# Altium PCB BEAGLEPLAYV020_220915.brd.PcbDoc (part 12 of 12)
Units mm, origin at the board's own origin, x right, y up, seen from the top; angles counter-clockwise.
Board outline 80 x 80 mm, 8 copper layers (TOP, LYR2_GND, LYR3, LAY4_PWR1, LAY5_PWR2, LAY6, LYR7_GND, BOTTOM), stack 1.545 mm thick; 782 components, 546 nets, 2864 pads, 2056 vias.
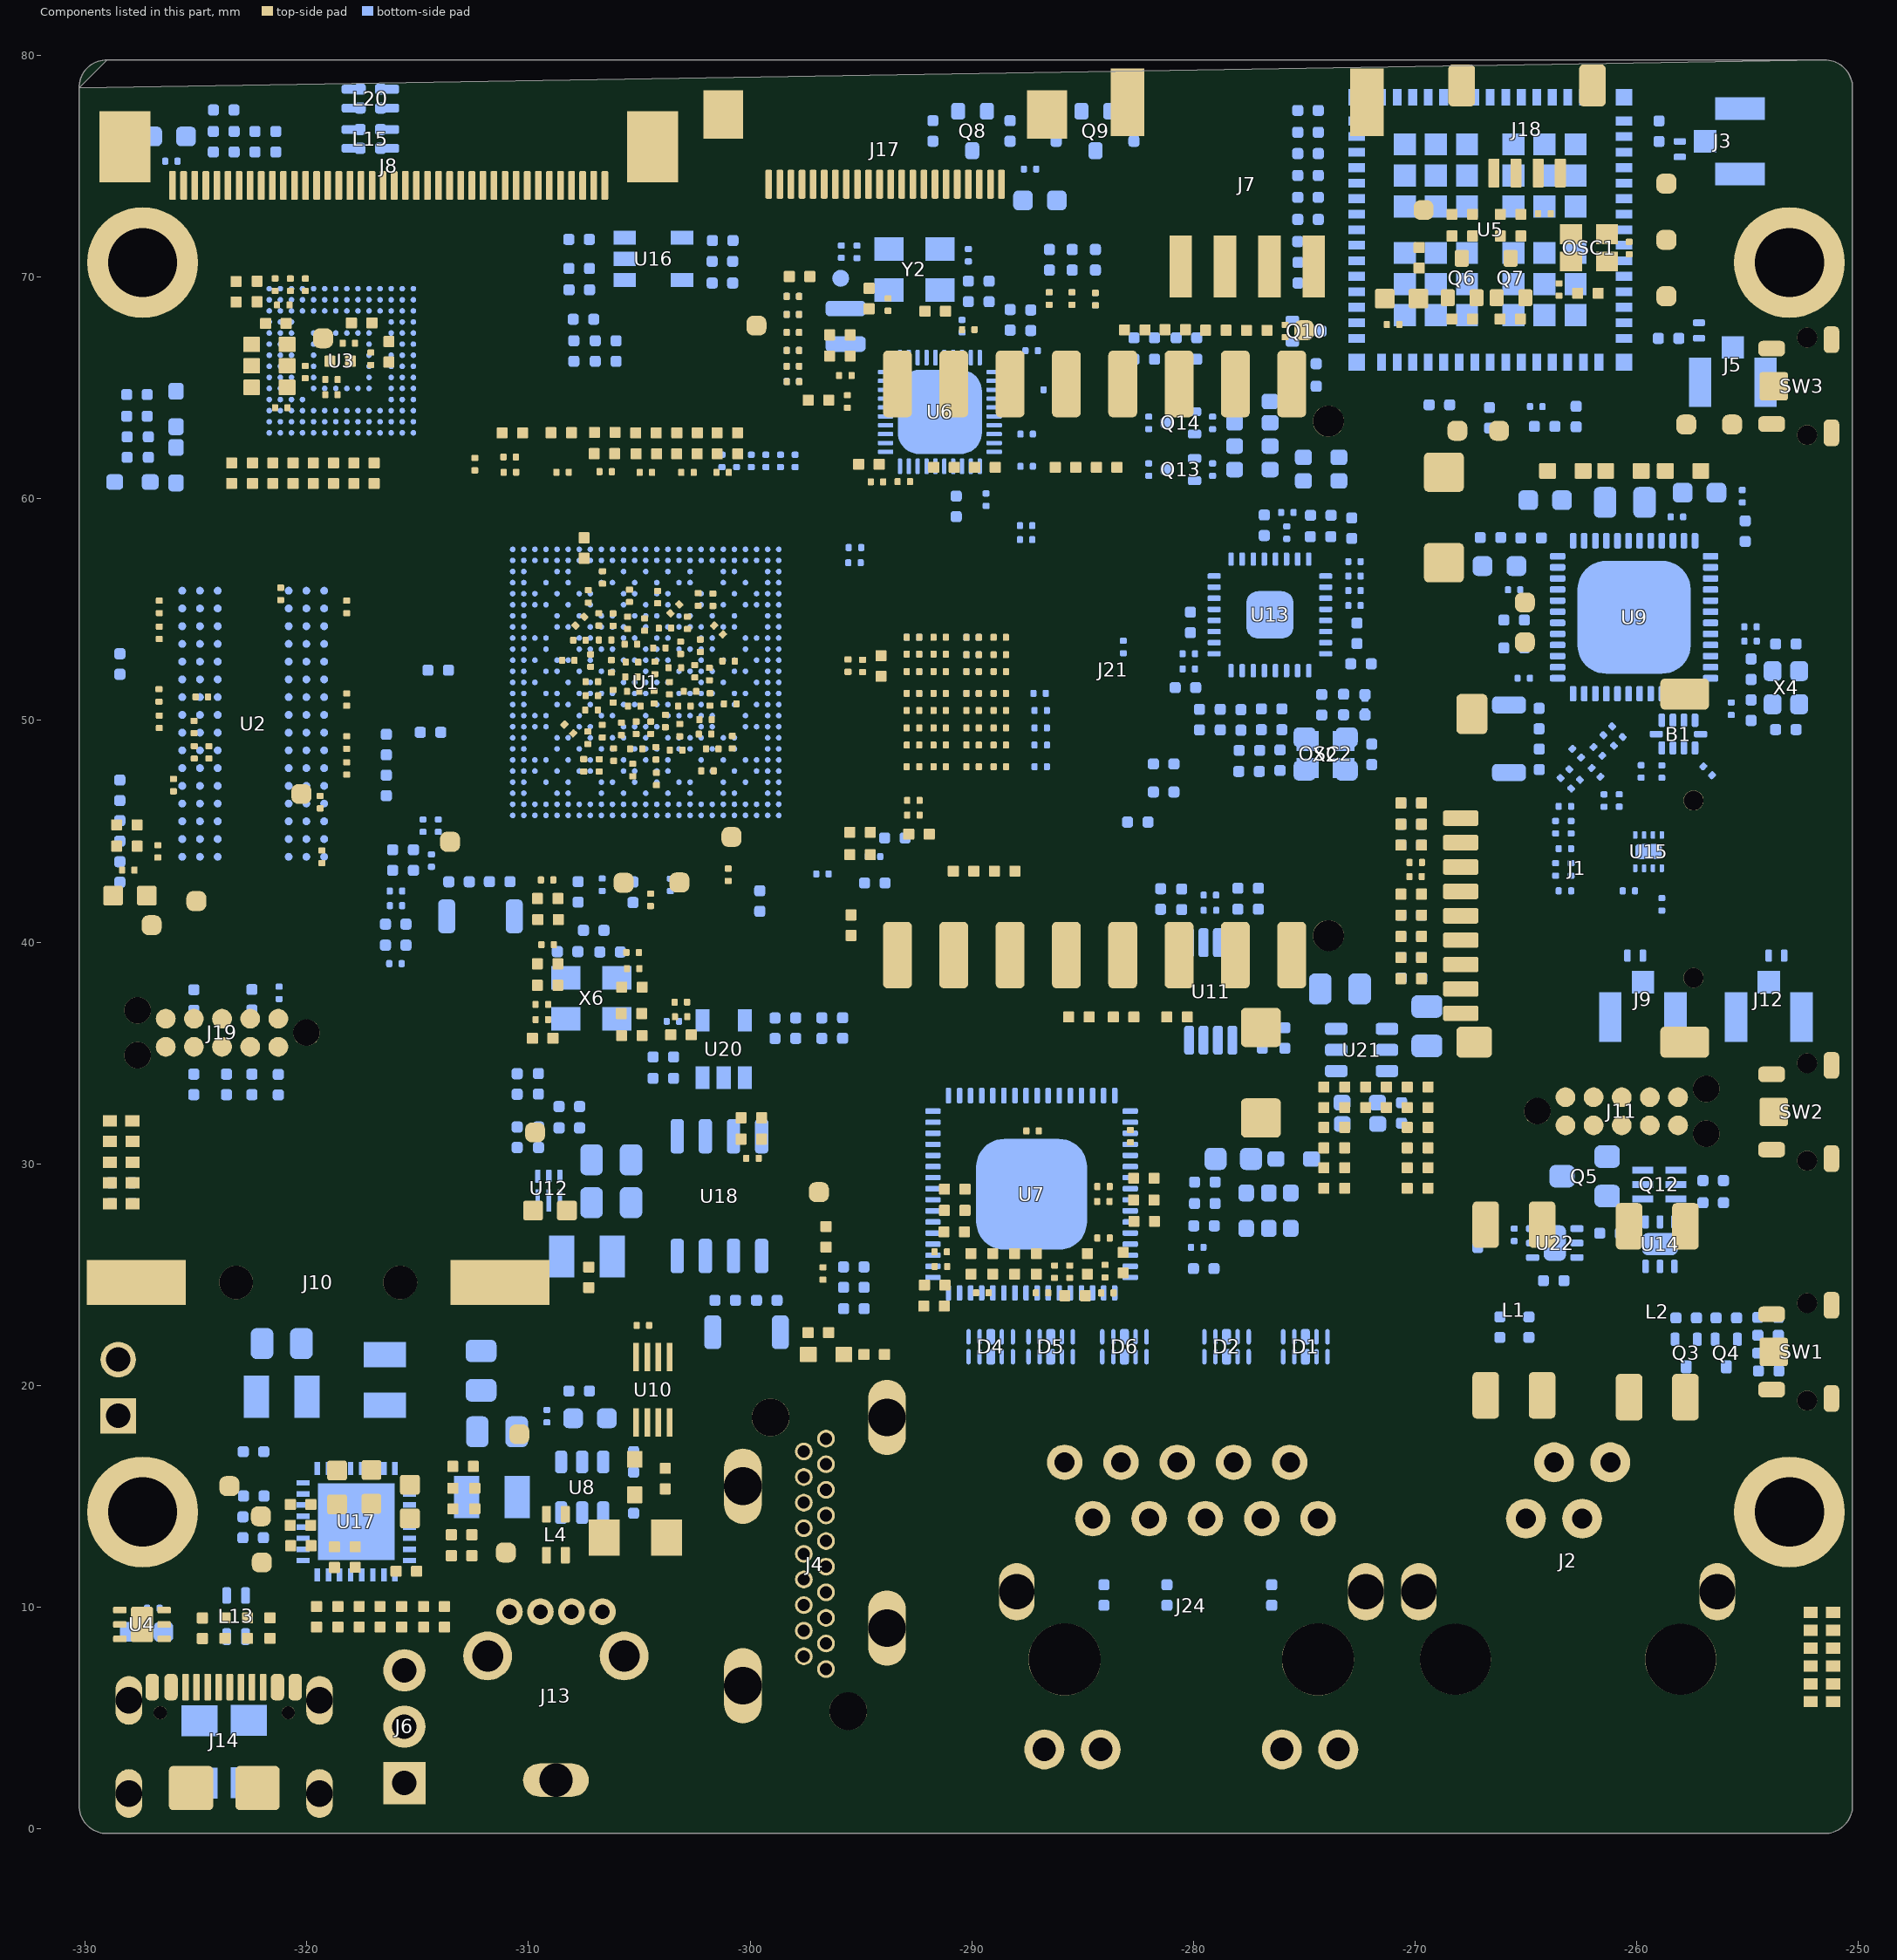
[diagram p18: the components of this part, seen from the top]

## Polygon pours and split planes (outlines as drawn) (continued)
VDD_CORE on LAY6 "LAY6-VDD_CORE 1" (solid, pour order 45): -300.965,63.5 -304.292,63.5 -304.495,63.703 -304.495,64.262 -304.216,64.541 -300.939,64.541 -300.761,64.364 -300.761,63.703
VDD_1V2 on LAY6 "LAY6-VDD_1V2" (solid, pour order 120): -296.697,26.518 -319.532,26.518 -322.605,23.444 -324.129,23.444 -324.333,23.241 -324.333,21.869 -323.952,21.488 -315.316,21.488 -313.538,23.266 -296.774,23.266 -296.443,23.597 -296.443,26.264
VPP_1V8 on LYR3 "LYR3-VPP_1V8" (solid, pour order 114): 25 vertices, not listed, extent -316.001,27.407 -306.807,50.317
GND on LYR3 "LYR3-GND" (solid, pour order 126): -255.092,57.76 -261.772,57.76 -262.534,56.998 -262.534,50.571 -264.846,48.26 -264.846,44.577 -264.846,44.247 -263.83,43.231 -263.83,38.024 -264.566,37.287 -264.566,35.839 -264.185,35.458 -254.406,35.458 -252.832,37.033 -252.832,55.499
VDDA_PLL2 on LYR3 "LYR3-VDDA_PLL2" (solid, pour order 107): -299.644,49.784 -303.733,49.784 -304.521,50.571 -304.521,51.841 -304.343,52.019 -299.39,52.019 -295.986,48.616 -294.488,48.616 -294.259,48.387 -294.259,47.701 -294.361,47.6 -297.459,47.6
VDDA_1V8_MCU on LYR3 "LYR3-VDDA_1V8_MCU" (solid, pour order 108): 23 vertices, not listed, extent -310.388,36.525 -304.8,51.003
N17232817 on LYR3 "LYR3-N17232817" (solid, pour order 68): 21 vertices, not listed, extent -285.852,24.359 -283.032,28.6
VDD_3V3 on LYR3 "LYR3-VDD_3V3" (solid, pour order 106): -313.309,12.522 -319.532,12.522 -320.98,13.97 -320.98,14.91 -320.599,15.291 -314.173,15.291 -313.08,14.199 -313.08,12.751
VDDSHV5 on LYR3 "LYR3-VDDSHV5" (solid, pour order 92): 19 vertices, not listed, extent -302.895,42.088 -299.263,48.463
VDD_1V8 on LYR3 "LYR3-VDD_1V8" (solid, pour order 86): -301.625,53.848 -302.87,53.848 -303.098,53.619 -307.619,53.619 -308,53.238 -308,52.603 -307.797,52.4 -303.555,52.4 -303.352,52.197 -302.336,52.197 -302.133,52.4 -300.99,53.543 -300.99,53.848 -301.142,54 -301.473,54
GND_EARTH on LYR3 "LYR3-GND_EARTH" (solid, pour order 128): 67 vertices, not listed, extent -329.946,0.076 -251.206,15.342
VDD_1V2 on LYR3 "LYR3-VDD_1V2" (solid, pour order 116): 20 vertices, not listed, extent -297.586,22.885 -285.064,29.337
N16127607 on LYR3 "LYR3-N16127607" (solid, pour order 89): 23 vertices, not listed, extent -292.76,25.07 -283.21,31.725
VDDA_CORE_CSI on LYR3 "LYR3-VDDA_CORE_CSI" (solid, pour order 90): 19 vertices, not listed, extent -304.495,53.899 -300.685,60.731
GND on LYR3 "LYR3-GND 1" (solid, pour order 123): -268.249,29.566 -257.124,29.566 -256.235,28.677 -256.235,19.177 -258.013,17.399 -269.824,17.399 -270.078,17.653 -270.078,27.711 -268.249,29.54
GND_EARTH on LYR7_GND "LYR7_GND-GND_EARTH" (solid, pour order 131): 67 vertices, not listed, extent -329.946,0.076 -251.206,15.773
GND on LYR7_GND "LYR7_GND-GND" (solid, pour order 146): 112 vertices, not listed, extent -329.54,1.346 -250.546,79.375

## Keep-outs
LYR7_GND:
  region: -261.907,49.429 cw(c-261.511,49.338) -261.511,49.744 cw(c-261.511,49.338) -261.104,49.338 -261.104,49.082 -261.668,48.518 cw(c-261.956,48.805) -261.956,48.399 cw(c-261.956,48.805) -262.362,48.805 cw(c-261.956,48.805) -262.243,49.093
  region: -263.375,43.002 cw(c-262.968,43.002) -262.562,43.002 -262.562,42.316 cw(c-262.968,42.316) -263.375,42.316
  region: -260.127,43.763 -260.027,43.763 cw(c-260.027,43.459) -259.723,43.459 -259.723,43.209 cw(c-260.027,43.209) -260.027,42.905 -260.127,42.905 cw(c-260.127,43.209) -260.431,43.209 -260.431,43.459 cw(c-260.127,43.459)
  region: -259.283,48.761 cw(c-258.877,48.761) -258.471,48.761 -258.471,47.974 cw(c-258.877,47.974) -259.283,47.974
  region: -263.849,47.405 cw(c-263.443,47.405) -263.443,47.812 cw(c-263.443,47.405) -263.156,47.693 -262.681,47.218 cw(c-262.968,46.931) -262.562,46.931 cw(c-262.968,46.931) -262.968,46.524 cw(c-262.968,46.931) -263.256,46.644 -263.73,47.118 cw(c-263.443,47.405)
  region: -260.59,67.642 -259.037,67.642 cw(c-259.037,67.236) -258.75,67.523 -258.747,67.521 cw(c-259.034,67.234) -258.628,67.234 cw(c-259.035,67.234) -259.035,66.827 cw(c-259.034,67.234) -259.077,66.83 -260.59,66.83 cw(c-260.59,67.236)
  region: -263.375,46.127 cw(c-262.968,46.127) -262.562,46.127 -262.562,45.466 cw(c-262.968,45.466) -263.375,45.466
  region: -263.277,48.155 cw(c-263.061,47.94) -262.846,48.155 -262.693,48.002 cw(c-262.909,47.787) -262.693,47.572 -262.819,47.446 cw(c-263.034,47.661) -263.25,47.446 -263.402,47.599 cw(c-263.187,47.814) -263.402,48.029
  region: -261.276,49.27 -261.036,49.27 cw(c-261.036,48.863) -260.63,48.863 cw(c-261.036,48.863) -260.923,48.473 -261.273,48.123 cw(c-261.56,48.41) -261.56,48.004 cw(c-261.56,48.41) -261.967,48.41 cw(c-261.56,48.41) -261.848,48.697
  region: -265.072,22.676 -264.671,22.676 cw(c-264.671,22.372) -264.368,22.373 -264.368,21.972 cw(c-264.671,21.972) -264.671,21.668 -265.072,21.668 cw(c-265.071,21.972) -265.375,21.972 -265.375,22.373 cw(c-265.071,22.372)
  region: -258.289,76.395 -257.839,76.395 cw(c-257.839,76.218) -257.662,76.218 -257.662,76.018 cw(c-257.839,76.018) -257.839,75.841 -258.289,75.841 cw(c-258.289,76.018) -258.466,76.018 -258.466,76.218 cw(c-258.289,76.218)
  region: -259.83,39.924 -259.629,39.924 cw(c-259.63,39.62) -259.326,39.621 -259.326,39.17 cw(c-259.63,39.17) -259.629,38.867 -259.83,38.867 cw(c-259.829,39.17) -260.133,39.17 -260.133,39.621 cw(c-259.829,39.62)
  region: -258.31,67.611 -257.909,67.611 cw(c-257.909,67.434) -257.733,67.434 -257.733,67.034 cw(c-257.909,67.034) -257.909,66.857 -258.31,66.857 cw(c-258.309,67.034) -258.486,67.034 -258.486,67.434 cw(c-258.309,67.434)
  region: -263.375,46.931 cw(c-262.968,46.931) -262.562,46.931 -262.562,46.127 cw(c-262.968,46.127) -263.375,46.127
  region: -259.204,76.495 -258.804,76.495 cw(c-258.804,76.318) -258.627,76.319 -258.627,75.918 cw(c-258.804,75.918) -258.804,75.742 -259.204,75.742 cw(c-259.204,75.918) -259.381,75.918 -259.381,76.319 cw(c-259.204,76.318)
  region: -263.057,44.634 -262.88,44.634 cw(c-262.88,44.329) -262.575,44.329 -262.575,44.113 cw(c-262.88,44.113) -262.88,43.808 -263.057,43.808 cw(c-263.057,44.113) -263.362,44.113 -263.362,44.329 cw(c-263.057,44.329)
  region: -261.265,49.218 cw(c-261.05,49.002) -260.834,49.218 -260.681,49.065 cw(c-260.897,48.85) -260.681,48.634 -260.807,48.509 cw(c-261.023,48.724) -261.238,48.509 -261.391,48.661 cw(c-261.175,48.877) -261.391,49.092
  region: -257.267,67.64 cw(c-257.2,67.239) -257.2,67.646 cw(c-257.2,67.239) -256.794,67.239 cw(c-257.2,67.24) -256.913,66.952 -256.919,66.947 cw(c-257.206,67.234) -257.206,66.827 -258.109,66.827 cw(c-258.109,67.234) -258.109,67.64
  region: -254.157,39.924 -253.956,39.924 cw(c-253.956,39.62) -253.653,39.621 -253.653,39.17 cw(c-253.956,39.17) -253.956,38.867 -254.157,38.867 cw(c-254.156,39.17) -254.46,39.17 -254.46,39.621 cw(c-254.156,39.62)
  region: -263.665,45.872 -262.968,45.872 cw(c-262.968,45.466) -262.968,45.06 -263.665,45.06 cw(c-263.665,45.466)
  region: -257.783,48.761 cw(c-257.377,48.761) -256.971,48.761 ccw(c-256.261,48.761) -256.763,48.26 -256.718,48.215 cw(c-257.005,47.927) -256.599,47.927 cw(c-257.005,47.927) -257.005,47.521 cw(c-257.005,47.927) -257.292,47.64 -257.338,47.685 cw(c-256.262,48.761)
  region: -260.136,39.395 cw(c-259.729,39.395) -259.323,39.395 -259.323,38.202 cw(c-259.729,38.202) -260.136,38.202
  region: -266.384,22.676 -265.983,22.676 cw(c-265.984,22.372) -265.68,22.373 -265.68,21.972 cw(c-265.984,21.972) -265.983,21.668 -266.384,21.668 cw(c-266.384,21.972) -266.688,21.972 -266.688,22.373 cw(c-266.384,22.372)
  region: -258.977,49.315 -258.777,49.315 cw(c-258.777,49.011) -258.473,49.011 -258.473,48.511 cw(c-258.777,48.511) -258.777,48.207 -258.977,48.207 cw(c-258.977,48.511) -259.281,48.511 -259.281,49.011 cw(c-258.977,49.011)
  region: -263.773,43.955 -263.557,43.955 cw(c-263.557,43.65) -263.252,43.65 -263.252,43.472 cw(c-263.557,43.472) -263.557,43.167 -263.773,43.167 cw(c-263.773,43.472) -264.078,43.472 -264.078,43.65 cw(c-263.773,43.65)
  region: -263.773,45.86 -263.557,45.86 cw(c-263.557,45.555) -263.252,45.555 -263.252,45.377 cw(c-263.557,45.377) -263.557,45.072 -263.773,45.072 cw(c-263.773,45.377) -264.078,45.377 -264.078,45.555 cw(c-263.773,45.555)
  region: -260.733,42.729 -260.555,42.729 cw(c-260.555,42.424) -260.25,42.424 -260.25,42.208 cw(c-260.555,42.208) -260.555,41.904 -260.733,41.904 cw(c-260.733,42.208) -261.038,42.208 -261.038,42.424 cw(c-260.733,42.424)
  region: -262.816,48.607 cw(c-262.52,48.328) -262.52,48.735 cw(c-262.52,48.328) -262.114,48.328 cw(c-262.52,48.328) -262.233,48.041 -262.76,47.513 cw(c-263.048,47.8) -263.048,47.394 cw(c-263.048,47.801) -263.454,47.801 cw(c-263.048,47.8) -263.335,48.088
  region: -257.425,67.516 -256.975,67.516 cw(c-256.975,67.339) -256.799,67.339 -256.799,67.139 cw(c-256.975,67.139) -256.975,66.963 -257.425,66.963 cw(c-257.425,67.139) -257.602,67.139 -257.602,67.339 cw(c-257.425,67.339)
  region: -259.283,41.427 cw(c-258.877,41.427) -258.471,41.427 cw(c-261.725,41.428) -259.424,39.126 -259.442,39.108 cw(c-259.73,39.395) -259.729,38.989 cw(c-259.729,39.395) -260.136,39.395 cw(c-259.73,39.395) -260.017,39.683 -259.998,39.701 ccw(c-261.725,41.427)
  region: -263.057,42.729 -262.88,42.729 cw(c-262.88,42.424) -262.575,42.424 -262.575,42.208 cw(c-262.88,42.208) -262.88,41.904 -263.057,41.904 cw(c-263.057,42.208) -263.362,42.208 -263.362,42.424 cw(c-263.057,42.424)
  region: -263.076,43.955 -262.861,43.955 cw(c-262.861,43.65) -262.556,43.65 -262.556,43.472 cw(c-262.861,43.472) -262.861,43.167 -263.076,43.167 cw(c-263.076,43.472) -263.381,43.472 -263.381,43.65 cw(c-263.076,43.65)
  region: -262.245,48.211 cw(c-262.029,47.996) -261.814,48.211 -261.688,48.086 cw(c-261.904,47.87) -261.688,47.655 -261.841,47.502 cw(c-262.056,47.718) -262.272,47.502 -262.397,47.628 cw(c-262.182,47.843) -262.397,48.059
  region: -259.235,67.611 -258.834,67.611 cw(c-258.835,67.434) -258.658,67.434 -258.658,67.034 cw(c-258.835,67.034) -258.834,66.857 -259.235,66.857 cw(c-259.235,67.034) -259.411,67.034 -259.411,67.434 cw(c-259.235,67.434)
  region: -262.339,48.135 cw(c-262.043,47.856) -262.043,48.263 cw(c-262.043,47.857) -261.637,47.857 -261.637,47.856 cw(c-262.043,47.857) -261.756,47.569 -262.286,47.039 cw(c-262.573,47.326) -262.573,46.92 cw(c-262.573,47.326) -262.98,47.326 cw(c-262.573,47.326) -262.861,47.613
  region: -258.985,42.38 -258.769,42.38 cw(c-258.769,42.075) -258.464,42.075 -258.464,41.897 cw(c-258.769,41.897) -258.769,41.593 -258.985,41.593 cw(c-258.985,41.897) -259.29,41.897 -259.29,42.075 cw(c-258.985,42.075)
  region: -263.057,46.54 -262.88,46.54 cw(c-262.88,46.235) -262.575,46.235 -262.575,46.019 cw(c-262.88,46.019) -262.88,45.715 -263.057,45.715 cw(c-263.057,46.019) -263.362,46.019 -263.362,46.235 cw(c-263.057,46.235)
  region: -260.433,43.334 cw(c-260.077,43.334) -259.721,43.334 -259.721,43.205 cw(c-260.077,43.008) -259.671,43.008 -259.671,42.325 cw(c-260.077,42.325) -259.79,42.037 -259.798,42.029 cw(c-260.085,42.316) -260.085,41.91 cw(c-260.085,42.316) -260.491,42.316 cw(c-260.085,42.316) -260.483,42.397 -260.483,43.008 cw(c-260.077,43.008) -260.433,43.205
  region: -260.174,42.729 -259.996,42.729 cw(c-259.996,42.424) -259.691,42.424 -259.691,42.208 cw(c-259.996,42.208) -259.996,41.904 -260.174,41.904 cw(c-260.174,42.208) -260.479,42.208 -260.479,42.424 cw(c-260.174,42.424)
  region: -262.968,42.723 -260.644,42.723 cw(c-260.644,42.316) -260.644,41.91 -262.968,41.91 cw(c-262.968,42.316)
  region: -263.197,47.285 cw(c-262.982,47.07) -262.767,47.285 -262.614,47.133 cw(c-262.829,46.917) -262.614,46.702 -262.74,46.576 cw(c-262.955,46.792) -263.17,46.576 -263.323,46.729 cw(c-263.108,46.944) -263.323,47.16
  region: -257.477,49.315 -257.277,49.315 cw(c-257.277,49.011) -256.973,49.011 -256.973,48.511 cw(c-257.277,48.511) -257.277,48.207 -257.477,48.207 cw(c-257.477,48.511) -257.781,48.511 -257.781,49.011 cw(c-257.477,49.011)
  region: -261.95,48.524 cw(c-261.56,48.41) -261.56,48.817 cw(c-261.56,48.41) -261.154,48.41 -261.154,48.171 -261.756,47.569 cw(c-262.043,47.857) -262.043,47.45 cw(c-262.043,47.857) -262.449,47.857 cw(c-262.043,47.856) -262.33,48.144
  region: -261.74,49.692 cw(c-261.524,49.477) -261.309,49.692 -261.156,49.54 cw(c-261.372,49.324) -261.156,49.109 -261.282,48.983 cw(c-261.497,49.199) -261.713,48.983 -261.865,49.136 cw(c-261.65,49.351) -261.865,49.567
  region: -263.375,44.221 cw(c-262.968,44.221) -262.562,44.221 -262.562,43.561 cw(c-262.968,43.561) -263.375,43.561
  region: -257.016,47.532 cw(c-256.61,47.532) -256.61,47.938 cw(c-256.61,47.532) -256.323,47.819 cw(c-262.774,41.367) -253.65,41.367 -253.65,39.395 cw(c-254.056,39.395) -254.463,39.395 -254.463,41.367 ccw(c-262.774,41.368) -256.897,47.245 cw(c-256.61,47.532)
  region: -263.773,45.301 -263.557,45.301 cw(c-263.557,44.996) -263.252,44.996 -263.252,44.818 cw(c-263.557,44.818) -263.557,44.514 -263.773,44.514 cw(c-263.773,44.818) -264.078,44.818 -264.078,44.996 cw(c-263.773,44.996)
  region: -263.375,44.907 cw(c-262.968,44.907) -262.562,44.907 -262.562,44.221 cw(c-262.968,44.221) -263.375,44.221
  region: -263.934,43.894 -263.934,44.221 cw(c-263.527,44.221) -263.121,44.221 -263.121,43.894 cw(c-263.998,43.894) -263.378,43.274 cw(c-263.665,43.561) -263.665,43.155 cw(c-263.665,43.561) -264.072,43.561 cw(c-263.665,43.561) -263.952,43.848 ccw(c-263.998,43.894)
  region: -259.082,77.442 cw(c-259.004,77.044) -259.004,77.45 cw(c-259.004,77.044) -258.597,77.044 cw(c-259.004,77.044) -258.717,76.756 -258.724,76.749 cw(c-259.012,77.036) -259.011,76.63 -260.59,76.63 cw(c-260.59,77.036) -260.59,77.442
  region: -258.927,43.763 -258.827,43.763 cw(c-258.827,43.459) -258.523,43.459 -258.523,43.209 cw(c-258.827,43.209) -258.827,42.905 -258.927,42.905 cw(c-258.927,43.209) -259.231,43.209 -259.231,43.459 cw(c-258.927,43.459)
  region: -262.802,47.681 cw(c-262.587,47.465) -262.371,47.681 -262.219,47.528 cw(c-262.434,47.313) -262.219,47.097 -262.344,46.971 cw(c-262.56,47.187) -262.775,46.971 -262.928,47.124 cw(c-262.712,47.34) -262.928,47.555
  region: -256.988,76.525 cw(c-256.921,76.124) -256.921,76.53 cw(c-256.921,76.124) -256.515,76.124 cw(c-256.921,76.124) -256.634,75.837 cw(c-256.935,76.137) -256.934,75.712 cw(c-256.934,76.118) -256.935,75.712 -258.064,75.712 cw(c-258.064,76.118) -258.064,76.525
  region: -254.463,39.395 cw(c-254.056,39.395) -253.65,39.395 -253.65,38.202 cw(c-254.056,38.202) -254.463,38.202
  region: -263.076,45.86 -262.861,45.86 cw(c-262.861,45.555) -262.556,45.555 -262.556,45.377 cw(c-262.861,45.377) -262.861,45.072 -263.076,45.072 cw(c-263.076,45.377) -263.381,45.377 -263.381,45.555 cw(c-263.076,45.555)
  region: -266.42,21.675 cw(c-266.014,21.675) -266.014,22.081 cw(c-266.014,21.675) -265.727,21.962 -265.396,21.631 -265.396,16.746 -264.417,15.767 -263.661,15.767 -262.182,14.288 cw(c-262.469,14) -262.062,14 cw(c-262.469,14) -262.469,13.594 cw(c-262.469,14) -262.756,13.713 -263.998,14.955 -264.754,14.955 -266.209,16.409 -266.209,21.295 -266.301,21.387 cw(c-266.014,21.675)
  region: -262.157,49.16 cw(c-261.942,48.944) -261.727,49.16 -261.601,49.034 cw(c-261.816,48.819) -261.601,48.603 -261.754,48.451 cw(c-261.969,48.666) -262.184,48.451 -262.31,48.576 cw(c-262.095,48.792) -262.31,49.007
  region: -257.207,48.282 cw(c-256.992,48.066) -256.776,48.282 -256.65,48.156 cw(c-256.866,47.941) -256.65,47.725 -256.803,47.573 cw(c-257.019,47.788) -257.234,47.573 -257.36,47.698 cw(c-257.144,47.914) -257.36,48.129
  region: -256.812,47.887 cw(c-256.596,47.671) -256.381,47.887 -256.255,47.761 cw(c-256.471,47.545) -256.255,47.33 -256.408,47.177 cw(c-256.623,47.393) -256.839,47.177 -256.964,47.303 cw(c-256.749,47.519) -256.964,47.734
  region: -259.233,43.334 cw(c-258.877,43.334) -258.521,43.334 -258.521,43.205 cw(c-258.877,43.008) -258.471,43.008 -258.471,41.986 cw(c-258.877,41.986) -259.283,41.986 -259.283,43.008 cw(c-258.877,43.008) -259.233,43.205
  region: -257.2,67.646 -256.505,67.646 cw(c-256.505,66.233) -255.506,67.232 -255.389,67.115 cw(c-255.676,66.827) -255.27,66.828 cw(c-255.676,66.828) -255.676,66.421 cw(c-255.676,66.828) -255.964,66.54 -256.081,66.657 ccw(c-256.505,66.232) -256.505,66.833 -257.2,66.833 cw(c-257.2,67.239)
  region: -265.37,21.962 cw(c-265.083,21.675) -265.083,22.081 cw(c-265.083,21.675) -264.676,21.675 cw(c-265.083,21.675) -264.796,21.387 -264.888,21.295 -264.888,19.956 -264.821,19.889 -263.56,19.889 -263.017,19.346 -263.017,18.4 -263.56,17.857 -264.821,17.857 -264.888,17.79 -264.888,17.076 -264.759,16.947 -263.739,16.947 cw(c-263.739,16.54) -263.739,16.134 -265.095,16.134 -265.701,16.739 -265.701,18.127 -265.158,18.67 -263.897,18.67 -263.83,18.737 -263.83,19.009 -263.897,19.076 -265.158,19.076 -265.701,19.619 -265.701,21.631
  region: -261.762,48.765 cw(c-261.547,48.549) -261.331,48.765 -261.206,48.639 cw(c-261.421,48.424) -261.206,48.208 -261.358,48.056 cw(c-261.574,48.271) -261.789,48.056 -261.915,48.181 cw(c-261.699,48.397) -261.915,48.612
  region: -263.076,43.396 -262.861,43.396 cw(c-262.861,43.091) -262.556,43.091 -262.556,42.913 cw(c-262.861,42.913) -262.861,42.608 -263.076,42.608 cw(c-263.076,42.913) -263.381,42.913 -263.381,43.091 cw(c-263.076,43.091)
  region: -259.004,76.525 -258.065,76.525 cw(c-258.065,76.118) -258.065,75.712 -259.004,75.712 cw(c-259.004,76.118)
  region: -262.212,49.212 -261.956,49.212 cw(c-261.956,48.805) -261.549,48.805 cw(c-261.955,48.805) -261.865,48.409 -262.233,48.041 cw(c-262.52,48.328) -262.52,47.922 cw(c-262.52,48.328) -262.927,48.328 cw(c-262.52,48.328) -262.807,48.616
  region: -262.722,48.683 cw(c-262.507,48.467) -262.291,48.683 -262.166,48.557 cw(c-262.381,48.342) -262.166,48.126 -262.318,47.974 cw(c-262.534,48.189) -262.749,47.974 -262.875,48.099 cw(c-262.659,48.315) -262.875,48.53
  region: -263.672,47.76 cw(c-263.456,47.544) -263.241,47.76 -263.088,47.607 cw(c-263.304,47.392) -263.088,47.176 -263.214,47.051 cw(c-263.429,47.266) -263.645,47.051 -263.798,47.203 cw(c-263.582,47.419) -263.798,47.634
  region: -259.283,47.415 cw(c-258.877,47.415) -258.471,47.415 -258.471,45.136 cw(c-258.877,45.136) -258.521,44.939 -258.521,44.835 cw(c-258.877,44.835) -259.233,44.835 -259.233,44.939 cw(c-258.877,45.136) -259.283,45.136
  region: -259.204,77.42 -258.804,77.42 cw(c-258.804,77.244) -258.627,77.244 -258.627,76.843 cw(c-258.804,76.844) -258.804,76.667 -259.204,76.667 cw(c-259.204,76.844) -259.381,76.843 -259.381,77.244 cw(c-259.204,77.244)
  region: -258.985,47.809 -258.769,47.809 cw(c-258.769,47.504) -258.464,47.504 -258.464,47.326 cw(c-258.769,47.326) -258.769,47.021 -258.985,47.021 cw(c-258.985,47.326) -259.29,47.326 -259.29,47.504 cw(c-258.985,47.504)
  region: -263.665,45.314 -262.968,45.314 cw(c-262.968,44.907) -262.968,44.501 -263.665,44.501 cw(c-263.665,44.907)
  region: -258.985,48.367 -258.769,48.367 cw(c-258.769,48.063) -258.464,48.063 -258.464,47.885 cw(c-258.769,47.885) -258.769,47.58 -258.985,47.58 cw(c-258.985,47.885) -259.29,47.885 -259.29,48.063 cw(c-258.985,48.063)
  region: -258.927,45.264 -258.827,45.264 cw(c-258.827,44.96) -258.523,44.96 -258.523,44.71 cw(c-258.827,44.71) -258.827,44.406 -258.927,44.406 cw(c-258.927,44.71) -259.231,44.71 -259.231,44.96 cw(c-258.927,44.96)
  region: -263.616,44.634 -263.438,44.634 cw(c-263.438,44.329) -263.134,44.329 -263.134,44.113 cw(c-263.438,44.113) -263.438,43.808 -263.616,43.808 cw(c-263.616,44.113) -263.921,44.113 -263.921,44.329 cw(c-263.616,44.329)

## Text inside footprints (layer, text, board x,y; h text height)
C118: PIN_NUMBER "1" at -326.272,47.363 h0.64 r270; PIN_NUMBER "2" at -326.272,46.805 h0.64 r270; ASSEMBLY_TOP "100nF" at -326.272,47.338 h0.64 r270
C119: PIN_NUMBER "1" at -324.714,51.063 h0.64 r180; PIN_NUMBER "2" at -325.272,51.063 h0.64 r180; ASSEMBLY_TOP "100nF" at -324.485,51.317 h0.64 r180
C120: PIN_NUMBER "1" at -318.457,49.286 h0.64 r270; PIN_NUMBER "2" at -318.457,48.727 h0.64 r270; ASSEMBLY_TOP "100nF" at -318.457,49.261 h0.64 r270
C121: PIN_NUMBER "1" at -315.976,39.032 h0.64 r180; PIN_NUMBER "2" at -316.535,39.032 h0.64 r180; ASSEMBLY_TOP "100nF" at -315.747,38.778 h0.64 r180
C122: PIN_NUMBER "1" at -316.509,41.648 h0.64; PIN_NUMBER "2" at -315.951,41.648 h0.64; ASSEMBLY_TOP "100nF" at -316.23,41.902 h0.64
C123: PIN_NUMBER "1" at -319.65,46.595 h0.64 r270; PIN_NUMBER "2" at -319.65,46.036 h0.64 r270; ASSEMBLY_TOP "100nF" at -319.65,46.569 h0.64 r270
C124: PIN_NUMBER "1" at -316.509,42.309 h0.64; PIN_NUMBER "2" at -315.951,42.309 h0.64; ASSEMBLY_TOP "100nF" at -316.23,42.563 h0.64
C125: PIN_NUMBER "1" at -320.995,14.639 h0.64; PIN_NUMBER "2" at -320.07,14.639 h0.64; ASSEMBLY_TOP "2.2uF" at -320.152,14.385 h0.64
C126: PIN_NUMBER "1" at -312.018,42.732 h0.64; PIN_NUMBER "2" at -311.093,42.732 h0.64; ASSEMBLY_TOP "12pF" at -311.174,42.986 h0.64
C127: PIN_NUMBER "1" at -312.925,42.724 h0.64 r180; PIN_NUMBER "2" at -313.85,42.724 h0.64 r180; ASSEMBLY_TOP "12pF" at -313.26,42.47 h0.64 r180
C128: PIN_NUMBER "2" at -308.951,39.574 h0.64 r180; PIN_NUMBER "1" at -308.026,39.574 h0.64 r180; ASSEMBLY_TOP "10pF" at -308.361,39.32 h0.64 r180
C129: PIN_NUMBER "2" at -306.109,39.557 h0.64; PIN_NUMBER "1" at -307.034,39.557 h0.64; ASSEMBLY_TOP "10pF" at -306.191,39.811 h0.64
C130: PIN_NUMBER "1" at -326.898,9.957 h0.64 r180; PIN_NUMBER "2" at -327.457,9.957 h0.64 r180; ASSEMBLY_TOP "100nF" at -326.669,9.703 h0.64 r180
C131: PIN_NUMBER "2" at -309.426,18.899 h0.64 r90; PIN_NUMBER "1" at -309.426,18.34 h0.64 r90; ASSEMBLY_TOP "100nF" at -309.426,18.366 h0.64 r90
C132: PIN_NUMBER "1" at -306.068,36.78 h0.64; PIN_NUMBER "2" at -305.143,36.78 h0.64; ASSEMBLY_TOP "10uF" at -305.225,36.526 h0.64
C133: PIN_NUMBER "1" at -310.045,27.898 h0.64; PIN_NUMBER "2" at -308.521,27.898 h0.64; ASSEMBLY_TOP "10uF" at -309.029,27.644 h0.64
C134: PIN_NUMBER "1" at -305.631,30.184 h0.64 r180; PIN_NUMBER "2" at -307.409,30.184 h0.64 r180; ASSEMBLY_TOP "22uF" at -306.012,30.311 h0.64 r180
C135: PIN_NUMBER "1" at -305.631,28.253 h0.64 r180; PIN_NUMBER "2" at -307.409,28.253 h0.64 r180; ASSEMBLY_TOP "22uF" at -306.012,28.38 h0.64 r180
C136: PIN_NUMBER "1" at -307.06,48.255 h0.64 r270; PIN_NUMBER "2" at -307.06,47.696 h0.64 r270; ASSEMBLY_TOP "1uF" at -307.06,48.229 h0.64 r270
C137: PIN_NUMBER "1" at -305.671,48.718 h0.64; PIN_NUMBER "2" at -305.112,48.718 h0.64; ASSEMBLY_TOP "1uF" at -305.392,48.464 h0.64
C138: PIN_NUMBER "1" at -301.058,49.301 h0.64 r270; PIN_NUMBER "2" at -301.058,48.743 h0.64 r270; ASSEMBLY_TOP "1uF" at -301.058,49.276 h0.64 r270
C139: PIN_NUMBER "1" at -302.242,48.718 h0.64; PIN_NUMBER "2" at -301.683,48.718 h0.64; ASSEMBLY_TOP "1uF" at -301.963,48.464 h0.64
C140: PIN_NUMBER "1" at -308.237,53.62 h0.64; PIN_NUMBER "2" at -307.678,53.62 h0.64; ASSEMBLY_TOP "1uF" at -307.957,53.366 h0.64
C141: PIN_NUMBER "1" at -301.506,52.68 h0.64; PIN_NUMBER "2" at -300.947,52.68 h0.64; ASSEMBLY_TOP "1uF" at -301.226,52.426 h0.64
C142: PIN_NUMBER "1" at -302.599,55.179 h0.64 r90; PIN_NUMBER "2" at -302.599,55.738 h0.64 r90; ASSEMBLY_TOP "1uF" at -302.091,55.204 h0.64 r90
C143: PIN_NUMBER "1" at -302.547,50.039 h0.64; PIN_NUMBER "2" at -301.988,50.039 h0.64; ASSEMBLY_TOP "1uF" at -302.268,49.785 h0.64
C144: PIN_NUMBER "1" at -303.873,48.663 h0.64; PIN_NUMBER "2" at -303.314,48.663 h0.64; ASSEMBLY_TOP "1uF" at -303.594,48.409 h0.64
C145: PIN_NUMBER "1" at -309.134,42.808 h0.64 r180; PIN_NUMBER "2" at -309.693,42.808 h0.64 r180; ASSEMBLY_TOP "100nF" at -308.905,43.062 h0.64 r180
C146: PIN_NUMBER "1" at -307.763,48.258 h0.64 r270; PIN_NUMBER "2" at -307.763,47.699 h0.64 r270; ASSEMBLY_TOP "10nF" at -307.763,48.233 h0.64 r270
C147: PIN_NUMBER "1" at -308.927,41.97 h0.64 r180; PIN_NUMBER "2" at -309.852,41.97 h0.64 r180; ASSEMBLY_TOP "4.7uF" at -309.263,42.224 h0.64 r180
C148: PIN_NUMBER "1" at -301.774,61.19 h0.64; PIN_NUMBER "2" at -301.215,61.19 h0.64; ASSEMBLY_TOP "100nF" at -301.494,60.936 h0.64
C149: PIN_NUMBER "1" at -304.376,54.163 h0.64; PIN_NUMBER "2" at -303.817,54.163 h0.64; ASSEMBLY_TOP "10nF" at -304.096,53.909 h0.64
C150: PIN_NUMBER "1" at -301.739,62.028 h0.64; PIN_NUMBER "2" at -300.814,62.028 h0.64; ASSEMBLY_TOP "4.7uF" at -300.896,61.774 h0.64
C151: PIN_NUMBER "1" at -305.239,61.19 h0.64; PIN_NUMBER "2" at -304.681,61.19 h0.64; ASSEMBLY_TOP "100nF" at -304.96,60.936 h0.64
C152: PIN_NUMBER "1" at -305.782,54.684 h0.64 r270; PIN_NUMBER "2" at -305.782,54.125 h0.64 r270; ASSEMBLY_TOP "10nF" at -305.782,54.659 h0.64 r270
C153: PIN_NUMBER "1" at -305.397,62.028 h0.64; PIN_NUMBER "2" at -304.472,62.028 h0.64; ASSEMBLY_TOP "4.7uF" at -304.554,61.774 h0.64
C154: PIN_NUMBER "1" at -302.459,47.728 h0.64; PIN_NUMBER "2" at -301.901,47.728 h0.64; ASSEMBLY_TOP "100nF" at -302.18,47.474 h0.64
C155: PIN_NUMBER "1" at -310.824,61.884 h0.64 r180; PIN_NUMBER "2" at -311.382,61.884 h0.64 r180; ASSEMBLY_TOP "100nF" at -310.595,62.138 h0.64 r180
C156: PIN_NUMBER "1" at -306.522,53.629 h0.64 r180; PIN_NUMBER "2" at -307.08,53.629 h0.64 r180; ASSEMBLY_TOP "10nF" at -306.293,53.883 h0.64 r180
C157: PIN_NUMBER "1" at -310.812,61.198 h0.64 r180; PIN_NUMBER "2" at -311.371,61.198 h0.64 r180; ASSEMBLY_TOP "1uF" at -310.584,61.452 h0.64 r180
C158: PIN_NUMBER "1" at -295.842,52.193 h0.64 r90; PIN_NUMBER "2" at -295.842,52.752 h0.64 r90; ASSEMBLY_TOP "100nF" at -295.334,52.219 h0.64 r90
C159: PIN_NUMBER "1" at -304.07,53.273 h0.64 r180; PIN_NUMBER "2" at -304.629,53.273 h0.64 r180; ASSEMBLY_TOP "10nF" at -303.841,53.527 h0.64 r180
C160: PIN_NUMBER "1" at -295.182,52.182 h0.64 r90; PIN_NUMBER "2" at -295.182,52.741 h0.64 r90; ASSEMBLY_TOP "1uF" at -294.674,52.207 h0.64 r90
C161: PIN_NUMBER "1" at -293.172,46.394 h0.64; PIN_NUMBER "2" at -292.614,46.394 h0.64; ASSEMBLY_TOP "100nF" at -292.893,46.14 h0.64
C162: PIN_NUMBER "1" at -304.588,51.33 h0.64 r270; PIN_NUMBER "2" at -304.588,50.772 h0.64 r270; ASSEMBLY_TOP "10nF" at -304.588,51.305 h0.64 r270
C163: PIN_NUMBER "1" at -293.172,45.734 h0.64; PIN_NUMBER "2" at -292.614,45.734 h0.64; ASSEMBLY_TOP "1uF" at -292.893,45.48 h0.64
C164: PIN_NUMBER "1" at -309.931,37.194 h0.64; PIN_NUMBER "2" at -309.372,37.194 h0.64; ASSEMBLY_TOP "100nF" at -309.651,36.94 h0.64
C165: PIN_NUMBER "1" at -306.434,50.813 h0.64 r90; PIN_NUMBER "2" at -306.434,51.372 h0.64 r90; ASSEMBLY_TOP "10nF" at -305.926,50.839 h0.64 r90
C166: PIN_NUMBER "1" at -309.931,36.508 h0.64; PIN_NUMBER "2" at -309.372,36.508 h0.64; ASSEMBLY_TOP "1uF" at -309.651,36.254 h0.64
C167: PIN_NUMBER "1" at -306.442,54.827 h0.64 r270; PIN_NUMBER "2" at -306.442,54.268 h0.64 r270; ASSEMBLY_TOP "100nF" at -306.442,54.802 h0.64 r270
C168: PIN_NUMBER "1" at -307.077,54.836 h0.64 r270; PIN_NUMBER "2" at -307.077,54.277 h0.64 r270; ASSEMBLY_TOP "10nF" at -307.077,54.81 h0.64 r270
C169: PIN_NUMBER "1" at -308.436,61.198 h0.64 r180; PIN_NUMBER "2" at -308.995,61.198 h0.64 r180; ASSEMBLY_TOP "1uF" at -308.207,61.452 h0.64 r180
C170: PIN_NUMBER "1" at -303.362,61.19 h0.64; PIN_NUMBER "2" at -302.803,61.19 h0.64; ASSEMBLY_TOP "100nF" at -303.082,60.936 h0.64
C171: PIN_NUMBER "1" at -304.428,55.284 h0.64 r90; PIN_NUMBER "2" at -304.428,55.842 h0.64 r90; ASSEMBLY_TOP "10nF" at -303.92,55.309 h0.64 r90
C172: PIN_NUMBER "1" at -303.568,62.028 h0.64; PIN_NUMBER "2" at -302.643,62.028 h0.64; ASSEMBLY_TOP "4.7uF" at -302.725,61.774 h0.64
C173: PIN_NUMBER "1" at -306.492,61.223 h0.64 r180; PIN_NUMBER "2" at -307.051,61.223 h0.64 r180; ASSEMBLY_TOP "100nF" at -306.264,61.477 h0.64 r180
C174: PIN_NUMBER "1" at -306.917,56.173 h0.64 r90; PIN_NUMBER "2" at -306.917,56.731 h0.64 r90; ASSEMBLY_TOP "10nF" at -306.409,56.198 h0.64 r90
C175: PIN_NUMBER "1" at -306.363,62.036 h0.64 r180; PIN_NUMBER "2" at -307.288,62.036 h0.64 r180; ASSEMBLY_TOP "4.7uF" at -306.699,62.29 h0.64 r180
C176: PIN_NUMBER "1" at -304.555,52.092 h0.64 r90; PIN_NUMBER "2" at -304.555,52.65 h0.64 r90; ASSEMBLY_TOP "100nF" at -304.047,52.117 h0.64 r90
C177: PIN_NUMBER "1" at -309.671,39.887 h0.64; PIN_NUMBER "2" at -309.112,39.887 h0.64; ASSEMBLY_TOP "1uF" at -309.391,39.633 h0.64
C178: PIN_NUMBER "1" at -306.055,35.79 h0.64; PIN_NUMBER "2" at -305.13,35.79 h0.64; ASSEMBLY_TOP "4.7uF" at -305.211,35.536 h0.64
C179: PIN_NUMBER "1" at -309.854,39.023 h0.64; PIN_NUMBER "2" at -308.929,39.023 h0.64; ASSEMBLY_TOP "4.7uF" at -309.01,38.769 h0.64
C180: PIN_NUMBER "1" at -304.741,49.95 h0.64 r270; PIN_NUMBER "2" at -304.741,49.392 h0.64 r270; ASSEMBLY_TOP "100nF" at -304.741,49.925 h0.64 r270
C181: PIN_NUMBER "1" at -307.552,55.317 h0.64 r90; PIN_NUMBER "2" at -307.552,55.876 h0.64 r90; ASSEMBLY_TOP "100nF" at -307.044,55.343 h0.64 r90
C182: PIN_NUMBER "1" at -307.115,51.749 h0.64 r180; PIN_NUMBER "2" at -307.674,51.749 h0.64 r180; ASSEMBLY_TOP "100nF" at -306.887,52.003 h0.64 r180
C183: PIN_NUMBER "1" at -304.08,50.255 h0.64 r270; PIN_NUMBER "2" at -304.08,49.696 h0.64 r270; ASSEMBLY_TOP "100nF" at -304.08,50.23 h0.64 r270
C184: PIN_NUMBER "1" at -303.247,51.309 h0.64; PIN_NUMBER "2" at -302.688,51.309 h0.64; ASSEMBLY_TOP "100nF" at -302.967,51.055 h0.64
C185: PIN_NUMBER "1" at -306.061,49.9 h0.64 r270; PIN_NUMBER "2" at -306.061,49.341 h0.64 r270; ASSEMBLY_TOP "100nF" at -306.061,49.874 h0.64 r270
C186: PIN_NUMBER "1" at -302.751,51.939 h0.64 r90; PIN_NUMBER "2" at -302.751,52.498 h0.64 r90; ASSEMBLY_TOP "100nF" at -302.243,51.965 h0.64 r90
C187: PIN_NUMBER "1" at -305.812,51.309 h0.64; PIN_NUMBER "2" at -305.253,51.309 h0.64; ASSEMBLY_TOP "100nF" at -305.533,51.055 h0.64
C188: PIN_NUMBER "1" at -303.501,50.649 h0.64; PIN_NUMBER "2" at -302.942,50.649 h0.64; ASSEMBLY_TOP "100nF" at -303.221,50.395 h0.64
C189: PIN_NUMBER "1" at -305.761,50.649 h0.64; PIN_NUMBER "2" at -305.203,50.649 h0.64; ASSEMBLY_TOP "100nF" at -305.482,50.395 h0.64
C190: PIN_NUMBER "1" at -303.081,54.124 h0.64 r90; PIN_NUMBER "2" at -303.081,54.682 h0.64 r90; ASSEMBLY_TOP "100nF" at -302.573,54.149 h0.64 r90
C191: PIN_NUMBER "1" at -303.394,53.557 h0.64 r270; PIN_NUMBER "2" at -303.394,52.998 h0.64 r270; ASSEMBLY_TOP "100nF" at -303.394,53.532 h0.64 r270
C192: PIN_NUMBER "1" at -305.914,53.443 h0.64; PIN_NUMBER "2" at -305.355,53.443 h0.64; ASSEMBLY_TOP "100nF" at -305.634,53.189 h0.64
C193: PIN_NUMBER "1" at -307.734,54.679 h0.64 r225; PIN_NUMBER "2" at -308.13,54.284 h0.64 r225; ASSEMBLY_TOP "100nF" at -307.678,54.841 h0.64 r225
C194: PIN_NUMBER "1" at -307.577,48.942 h0.64 r90; PIN_NUMBER "2" at -307.577,49.501 h0.64 r90; ASSEMBLY_TOP "100nF" at -307.069,48.967 h0.64 r90
C195: PIN_NUMBER "1" at -305.863,52.63 h0.64; PIN_NUMBER "2" at -305.304,52.63 h0.64; ASSEMBLY_TOP "100nF" at -305.584,52.376 h0.64
C196: PIN_NUMBER "1" at -305.888,51.969 h0.64; PIN_NUMBER "2" at -305.33,51.969 h0.64; ASSEMBLY_TOP "100nF" at -305.609,51.715 h0.64
C197: PIN_NUMBER "1" at -306.514,52.723 h0.64 r270; PIN_NUMBER "2" at -306.514,52.164 h0.64 r270; ASSEMBLY_TOP "100nF" at -306.514,52.697 h0.64 r270
C198: PIN_NUMBER "1" at -305.012,54.047 h0.64 r90; PIN_NUMBER "2" at -305.012,54.606 h0.64 r90; ASSEMBLY_TOP "100nF" at -304.504,54.073 h0.64 r90
C199: PIN_NUMBER "1" at -303.894,51.177 h0.64 r90; PIN_NUMBER "2" at -303.894,51.736 h0.64 r90; ASSEMBLY_TOP "100nF" at -303.386,51.203 h0.64 r90
C200: PIN_NUMBER "1" at -303.933,52.376 h0.64; PIN_NUMBER "2" at -303.374,52.376 h0.64; ASSEMBLY_TOP "100nF" at -303.653,52.122 h0.64
C201: PIN_NUMBER "1" at -303.433,49.841 h0.64 r270; PIN_NUMBER "2" at -303.433,49.282 h0.64 r270; ASSEMBLY_TOP "100nF" at -303.433,49.815 h0.64 r270
C202: PIN_NUMBER "1" at -305.401,49.95 h0.64 r270; PIN_NUMBER "2" at -305.401,49.392 h0.64 r270; ASSEMBLY_TOP "100nF" at -305.401,49.925 h0.64 r270
C203: PIN_NUMBER "1" at -309.854,38.058 h0.64; PIN_NUMBER "2" at -308.929,38.058 h0.64; ASSEMBLY_TOP "10uF" at -309.01,37.804 h0.64
C204: PIN_NUMBER "1" at -307.502,70.384 h0.64 r180; PIN_NUMBER "2" at -308.427,70.384 h0.64 r180; ASSEMBLY_TOP "1uF" at -307.838,70.13 h0.64 r180
C205: PIN_NUMBER "1" at -308.238,49.422 h0.64 r135; PIN_NUMBER "2" at -308.633,49.817 h0.64 r135; ASSEMBLY_TOP "100nF" at -307.822,49.619 h0.64 r135
C206: PIN_NUMBER "1" at -302.912,35.823 h0.64 r180; PIN_NUMBER "2" at -303.837,35.823 h0.64 r180; ASSEMBLY_TOP "4.7uF" at -303.248,36.077 h0.64 r180
C207: PIN_NUMBER "1" at -303.091,36.636 h0.64 r180; PIN_NUMBER "2" at -303.649,36.636 h0.64 r180; ASSEMBLY_TOP "1uF" at -302.862,36.89 h0.64 r180
C208: PIN_NUMBER "1" at -305.698,55.343 h0.64 r90; PIN_NUMBER "2" at -305.698,55.902 h0.64 r90; ASSEMBLY_TOP "100nF" at -305.19,55.368 h0.64 r90
C209: PIN_NUMBER "1" at -303.102,37.296 h0.64 r180; PIN_NUMBER "2" at -303.661,37.296 h0.64 r180; ASSEMBLY_TOP "100nF" at -302.873,37.55 h0.64 r180
C210: PIN_NUMBER "1" at -304.504,48.24 h0.64 r90; PIN_NUMBER "2" at -304.504,48.798 h0.64 r90; ASSEMBLY_TOP "100nF" at -303.996,48.265 h0.64 r90
C211: PIN_NUMBER "1" at -301.435,50.75 h0.64; PIN_NUMBER "2" at -300.876,50.75 h0.64; ASSEMBLY_TOP "100nF" at -301.155,50.496 h0.64
C212: PIN_NUMBER "1" at -306.925,49.798 h0.64 r270; PIN_NUMBER "2" at -306.925,49.239 h0.64 r270; ASSEMBLY_TOP "100nF" at -306.925,49.773 h0.64 r270
C213: PIN_NUMBER "1" at -302.065,50.669 h0.64 r90; PIN_NUMBER "2" at -302.065,51.228 h0.64 r90; ASSEMBLY_TOP "100nF" at -301.557,50.695 h0.64 r90
C214: PIN_NUMBER "1" at -305.123,37.972 h0.64 r180; PIN_NUMBER "2" at -306.048,37.972 h0.64 r180; ASSEMBLY_TOP "4.7uF" at -305.458,38.226 h0.64 r180
C215: PIN_NUMBER "1" at -305.25,38.81 h0.64 r180; PIN_NUMBER "2" at -305.808,38.81 h0.64 r180; ASSEMBLY_TOP "1uF" at -305.021,39.064 h0.64 r180
C216: PIN_NUMBER "1" at -306.409,48.18 h0.64 r90; PIN_NUMBER "2" at -306.409,48.739 h0.64 r90; ASSEMBLY_TOP "100nF" at -305.901,48.205 h0.64 r90
C217: PIN_NUMBER "1" at -302.505,53.649 h0.64 r270; PIN_NUMBER "2" at -302.505,53.09 h0.64 r270; ASSEMBLY_TOP "100nF" at -302.505,53.623 h0.64 r270
C218: PIN_NUMBER "1" at -302.095,51.813 h0.64 r90; PIN_NUMBER "2" at -302.095,52.372 h0.64 r90; ASSEMBLY_TOP "100nF" at -301.587,51.839 h0.64 r90
C219: PIN_NUMBER "1" at -302.01,49.387 h0.64 r180; PIN_NUMBER "2" at -302.569,49.387 h0.64 r180; ASSEMBLY_TOP "100nF" at -301.781,49.641 h0.64 r180
C220: PIN_NUMBER "1" at -303.455,55.233 h0.64 r225; PIN_NUMBER "2" at -303.85,54.838 h0.64 r225; ASSEMBLY_TOP "100nF" at -303.398,55.395 h0.64 r225
C221: PIN_NUMBER "1" at -305.553,48.045 h0.64 r270; PIN_NUMBER "2" at -305.553,47.487 h0.64 r270; ASSEMBLY_TOP "100nF" at -305.553,48.02 h0.64 r270
C222: PIN_NUMBER "1" at -301.485,53.886 h0.64 r135; PIN_NUMBER "2" at -301.88,54.282 h0.64 r135; ASSEMBLY_TOP "100nF" at -301.069,54.084 h0.64 r135
C223: PIN_NUMBER "1" at -301.938,55.165 h0.64 r90; PIN_NUMBER "2" at -301.938,55.724 h0.64 r90; ASSEMBLY_TOP "100nF" at -301.43,55.19 h0.64 r90
C224: PIN_NUMBER "1" at -315.443,44.168 h0.64 r270; PIN_NUMBER "2" at -315.443,43.243 h0.64 r270; ASSEMBLY_TOP "4.7uF" at -314.935,43.579 h0.64 r270
C225: PIN_NUMBER "1" at -314.63,43.96 h0.64 r270; PIN_NUMBER "2" at -314.63,43.401 h0.64 r270; ASSEMBLY_TOP "1uF" at -314.122,43.934 h0.64 r270
C226: PIN_NUMBER "1" at -307.45,52.422 h0.64 r90; PIN_NUMBER "2" at -307.45,52.981 h0.64 r90; ASSEMBLY_TOP "100nF" at -306.942,52.447 h0.64 r90
C227: PIN_NUMBER "1" at -307.115,51.114 h0.64 r180; PIN_NUMBER "2" at -307.674,51.114 h0.64 r180; ASSEMBLY_TOP "100nF" at -306.887,51.368 h0.64 r180
C228: PIN_NUMBER "1" at -307.129,50.471 h0.64 r180; PIN_NUMBER "2" at -307.688,50.471 h0.64 r180; ASSEMBLY_TOP "100nF" at -306.901,50.725 h0.64 r180
C229: PIN_NUMBER "1" at -315.011,44.976 h0.64 r90; PIN_NUMBER "2" at -315.011,45.535 h0.64 r90; ASSEMBLY_TOP "100nF" at -315.011,45.001 h0.64 r90
C230: PIN_NUMBER "1" at -314.325,44.976 h0.64 r90; PIN_NUMBER "2" at -314.325,45.535 h0.64 r90; ASSEMBLY_TOP "100nF" at -314.325,45.001 h0.64 r90
C231: PIN_NUMBER "1" at -316.382,44.168 h0.64 r270; PIN_NUMBER "2" at -316.382,43.243 h0.64 r270; ASSEMBLY_TOP "10uF" at -315.874,43.579 h0.64 r270
C232: PIN_NUMBER "1" at -279.793,41.437 h0.64; PIN_NUMBER "2" at -279.234,41.437 h0.64; ASSEMBLY_TOP "10nF" at -279.514,41.691 h0.64
C233: PIN_NUMBER "1" at -280.788,42.399 h0.64 r270; PIN_NUMBER "2" at -280.788,41.474 h0.64 r270; ASSEMBLY_TOP "1uF" at -280.28,41.81 h0.64 r270
C234: PIN_NUMBER "1" at -278.255,41.487 h0.64; PIN_NUMBER "2" at -277.33,41.487 h0.64; ASSEMBLY_TOP "100pF" at -277.411,41.741 h0.64
C235: PIN_NUMBER "1" at -277.149,35.215 h0.64 r90; PIN_NUMBER "2" at -277.149,36.14 h0.64 r90; ASSEMBLY_TOP "100pF" at -277.149,35.805 h0.64 r90
C236: PIN_NUMBER "2" at -276.301,59.382 h0.64 r180; PIN_NUMBER "1" at -275.742,59.382 h0.64 r180; ASSEMBLY_TOP "100nF" at -275.513,59.128 h0.64 r180
C237: PIN_NUMBER "1" at -290.564,28.861 h0.64 r180; PIN_NUMBER "2" at -291.489,28.861 h0.64 r180; ASSEMBLY_TOP "10uF" at -290.899,29.115 h0.64 r180
C238: PIN_NUMBER "1" at -282.036,29.354 h0.64 r180; PIN_NUMBER "2" at -282.961,29.354 h0.64 r180; ASSEMBLY_TOP "10uF" at -282.372,29.608 h0.64 r180
C239: PIN_NUMBER "2" at -290.059,24.186 h0.64 r180; PIN_NUMBER "1" at -289.501,24.186 h0.64 r180; ASSEMBLY_TOP "100nF" at -289.272,24.44 h0.64 r180
C240: PIN_NUMBER "2" at -284.592,28.98 h0.64 r180; PIN_NUMBER "1" at -284.033,28.98 h0.64 r180; ASSEMBLY_TOP "100nF" at -283.804,29.234 h0.64 r180
C241: PIN_NUMBER "2" at -291.379,26.032 h0.64; PIN_NUMBER "1" at -291.937,26.032 h0.64; ASSEMBLY_TOP "100nF" at -291.658,25.778 h0.64
C242: PIN_NUMBER "2" at -287.238,31.488 h0.64; PIN_NUMBER "1" at -287.797,31.488 h0.64; ASSEMBLY_TOP "100nF" at -287.518,31.234 h0.64
C243: PIN_NUMBER "2" at -284.595,26.658 h0.64 r180; PIN_NUMBER "1" at -284.036,26.658 h0.64 r180; ASSEMBLY_TOP "100nF" at -283.807,26.912 h0.64 r180
C244: PIN_NUMBER "1" at -296.833,26.249 h0.64 r90; PIN_NUMBER "2" at -296.833,27.174 h0.64 r90; ASSEMBLY_TOP "10uF" at -296.325,26.839 h0.64 r90
C245: PIN_NUMBER "1" at -296.968,25.336 h0.64 r270; PIN_NUMBER "2" at -296.968,24.778 h0.64 r270; ASSEMBLY_TOP "100nF" at -296.968,25.311 h0.64 r270
C247: PIN_NUMBER "2" at -284.245,25.442 h0.64 r90; PIN_NUMBER "1" at -284.245,24.883 h0.64 r90; ASSEMBLY_TOP "100nF" at -283.737,24.909 h0.64 r90
C248: PIN_NUMBER "2" at -287.367,24.182 h0.64 r180; PIN_NUMBER "1" at -286.808,24.182 h0.64 r180; ASSEMBLY_TOP "100nF" at -286.58,24.436 h0.64 r180
C249: PIN_NUMBER "2" at -283.1,30.97 h0.64 r270; PIN_NUMBER "1" at -283.1,31.529 h0.64 r270; ASSEMBLY_TOP "100nF" at -283.1,31.503 h0.64 r270
C250: PIN_NUMBER "2" at -283.432,26.006 h0.64 r90; PIN_NUMBER "1" at -283.432,25.081 h0.64 r90; ASSEMBLY_TOP "10uF" at -282.924,25.671 h0.64 r90
C251: PIN_NUMBER "2" at -291.372,25.373 h0.64; PIN_NUMBER "1" at -291.93,25.373 h0.64; ASSEMBLY_TOP "100nF" at -291.651,25.119 h0.64
C252: PIN_NUMBER "2" at -287.347,25.955 h0.64 r90; PIN_NUMBER "1" at -287.347,25.03 h0.64 r90; ASSEMBLY_TOP "10uF" at -286.839,25.62 h0.64 r90
C253: PIN_NUMBER "1" at -276.127,67.845 h0.64 r270; PIN_NUMBER "2" at -276.127,67.286 h0.64 r270; ASSEMBLY_TOP "100nF" at -276.127,67.82 h0.64 r270
C254: PIN_NUMBER "1" at -272.52,50.42 h0.64 r90; PIN_NUMBER "2" at -272.52,50.978 h0.64 r90; ASSEMBLY_TOP "100nF" at -272.52,50.445 h0.64 r90
C255: PIN_NUMBER "1" at -264.704,72.86 h0.64; PIN_NUMBER "2" at -264.145,72.86 h0.64; ASSEMBLY_TOP "100nF" at -264.424,72.606 h0.64
C256: PIN_NUMBER "1" at -259.258,77.044 h0.64 r270; PIN_NUMBER "2" at -259.258,76.118 h0.64 r270; ASSEMBLY_TOP "100pF" at -258.75,76.454 h0.64 r270
C257: PIN_NUMBER "2" at -258.363,67.234 h0.64; PIN_NUMBER "1" at -259.289,67.234 h0.64; ASSEMBLY_TOP "100pF" at -258.445,67.488 h0.64
C258: PIN_NUMBER "1" at -287.947,73.456 h0.64; PIN_NUMBER "2" at -286.423,73.456 h0.64; ASSEMBLY_TOP "10uF" at -286.931,73.71 h0.64
C259: PIN_NUMBER "1" at -287.909,74.872 h0.64; PIN_NUMBER "2" at -287.35,74.872 h0.64; ASSEMBLY_TOP "100nF" at -287.63,75.126 h0.64
C260: PIN_NUMBER "1" at -321.505,37.435 h0.64 r90; PIN_NUMBER "2" at -321.505,37.993 h0.64 r90; ASSEMBLY_TOP "100nF" at -321.505,37.46 h0.64 r90
C261: PIN_NUMBER "2" at -299.042,23.847 h0.64; PIN_NUMBER "1" at -299.967,23.847 h0.64; ASSEMBLY_TOP "2.7pF" at -299.123,24.101 h0.64
C262: PIN_NUMBER "1" at -265.786,27.08 h0.64 r270; PIN_NUMBER "2" at -265.786,26.521 h0.64 r270; ASSEMBLY_TOP "100nF" at -265.278,27.055 h0.64 r270
C263: PIN_NUMBER "1" at -301.969,69.732 h0.64; PIN_NUMBER "2" at -301.044,69.732 h0.64; ASSEMBLY_TOP "1uF" at -301.125,69.986 h0.64
C264: PIN_NUMBER "1" at -299.872,30.251 h0.64 r180; PIN_NUMBER "2" at -300.431,30.251 h0.64 r180; ASSEMBLY_TOP "100nF" at -299.644,30.505 h0.64 r180
C265: PIN_NUMBER "2" at -301.844,23.847 h0.64 r180; PIN_NUMBER "1" at -300.919,23.847 h0.64 r180; ASSEMBLY_TOP "2.7pF" at -301.255,23.593 h0.64 r180
C266: PIN_NUMBER "1" at -303.463,36.432 h0.64 r180; PIN_NUMBER "2" at -304.022,36.432 h0.64 r180; ASSEMBLY_TOP "100nF" at -303.234,36.178 h0.64 r180
C267: PIN_NUMBER "2" at -326.644,75.227 h0.64 r180; PIN_NUMBER "1" at -326.085,75.227 h0.64 r180; ASSEMBLY_TOP "100nF" at -325.857,74.973 h0.64 r180
C268: PIN_NUMBER "2" at -327.228,76.345 h0.64 r180; PIN_NUMBER "1" at -325.704,76.345 h0.64 r180; ASSEMBLY_TOP "10uF" at -326.212,76.091 h0.64 r180
C269: PIN_NUMBER "2" at -286.521,25.417 h0.64 r90; PIN_NUMBER "1" at -286.521,24.858 h0.64 r90; ASSEMBLY_TOP "1nF" at -286.013,24.883 h0.64 r90
C270: PIN_NUMBER "1" at -305.275,39.536 h0.64 r180; PIN_NUMBER "2" at -305.834,39.536 h0.64 r180; ASSEMBLY_TOP "100nF" at -305.047,39.79 h0.64 r180
C271: PIN_NUMBER "2" at -289.311,25.955 h0.64 r90; PIN_NUMBER "1" at -289.311,25.03 h0.64 r90; ASSEMBLY_TOP "10uF" at -288.803,25.62 h0.64 r90
C272: PIN_NUMBER "1" at -304.482,47.643 h0.64 r270; PIN_NUMBER "2" at -304.482,47.084 h0.64 r270; ASSEMBLY_TOP "100nF" at -304.482,47.617 h0.64 r270
C273: PIN_NUMBER "1" at -308.178,52.709 h0.64 r180; PIN_NUMBER "2" at -308.737,52.709 h0.64 r180; ASSEMBLY_TOP "100nF" at -307.95,52.963 h0.64 r180
C274: PIN_NUMBER "1" at -280.365,26.238 h0.64; PIN_NUMBER "2" at -279.806,26.238 h0.64; ASSEMBLY_TOP "100nF" at -280.086,26.492 h0.64
C275: PIN_NUMBER "2" at -290.589,26.934 h0.64; PIN_NUMBER "1" at -291.514,26.934 h0.64; ASSEMBLY_TOP "10uF" at -290.671,26.68 h0.64
C276: PIN_NUMBER "2" at -285.839,25.417 h0.64 r90; PIN_NUMBER "1" at -285.839,24.858 h0.64 r90; ASSEMBLY_TOP "100nF" at -285.331,24.884 h0.64 r90
C294: PIN_NUMBER "2" at -287.503,61.463 h0.64; PIN_NUMBER "1" at -288.061,61.463 h0.64; ASSEMBLY_TOP "100nF" at -287.782,61.717 h0.64
C295: PIN_NUMBER "2" at -290.136,67.629 h0.64; PIN_NUMBER "1" at -290.695,67.629 h0.64; ASSEMBLY_TOP "1uF" at -290.416,67.375 h0.64
C296: PIN_NUMBER "2" at -287.503,62.917 h0.64; PIN_NUMBER "1" at -288.061,62.917 h0.64; ASSEMBLY_TOP "100nF" at -287.782,63.171 h0.64
C297: PIN_NUMBER "2" at -286.461,64.917 h0.64; PIN_NUMBER "1" at -287.02,64.917 h0.64; ASSEMBLY_TOP "100nF" at -286.741,65.171 h0.64
C298: PIN_NUMBER "2" at -290.695,68.068 h0.64 r90; PIN_NUMBER "1" at -290.695,67.509 h0.64 r90; ASSEMBLY_TOP "100nF" at -290.695,67.535 h0.64 r90
C299: PIN_NUMBER "2" at -294.891,69.493 h0.64 r90; PIN_NUMBER "1" at -294.891,68.568 h0.64 r90; ASSEMBLY_TOP "4.7uF" at -294.383,69.158 h0.64 r90
C300: PIN_NUMBER "2" at -294.034,69.039 h0.64 r90; PIN_NUMBER "1" at -294.034,68.48 h0.64 r90; ASSEMBLY_TOP "100nF" at -293.526,68.506 h0.64 r90
D1: PIN_NUMBER "3" at -275.209,21.302 h0.64 r180; PIN_NUMBER "8" at -275.209,22.202 h0.64 r180; PIN_NUMBER "6" at -276.209,22.202 h0.64 r180; PIN_NUMBER "5" at -276.209,21.302 h0.64 r180; PIN_NUMBER "7" at -275.709,22.202 h0.64 r180; PIN_NUMBER "4" at -275.709,21.302 h0.64 r180; PIN_NUMBER "9" at -274.709,22.202 h0.64 r180; PIN_NUMBER "2" at -274.709,21.302 h0.64 r180; PIN_NUMBER "10" at -274.463,22.202 h0.64 r180; PIN_NUMBER "1" at -274.209,21.302 h0.64 r180; ASSEMBLY_TOP "TPD4E05U06DQAR" at -274.574,21.244 h0.64 r180
D2: PIN_NUMBER "3" at -278.765,21.302 h0.64 r180; PIN_NUMBER "8" at -278.765,22.202 h0.64 r180; PIN_NUMBER "10" at -278.019,22.202 h0.64 r180; PIN_NUMBER "1" at -277.765,21.302 h0.64 r180; PIN_NUMBER "7" at -279.265,22.202 h0.64 r180; PIN_NUMBER "4" at -279.265,21.302 h0.64 r180; PIN_NUMBER "6" at -279.765,22.202 h0.64 r180; PIN_NUMBER "5" at -279.765,21.302 h0.64 r180; PIN_NUMBER "9" at -278.265,22.202 h0.64 r180; PIN_NUMBER "2" at -278.265,21.302 h0.64 r180; ASSEMBLY_TOP "TPD4E05U06DQAR" at -278.13,21.244 h0.64 r180